# KiCad board Stream.kicad_pcb (continued)
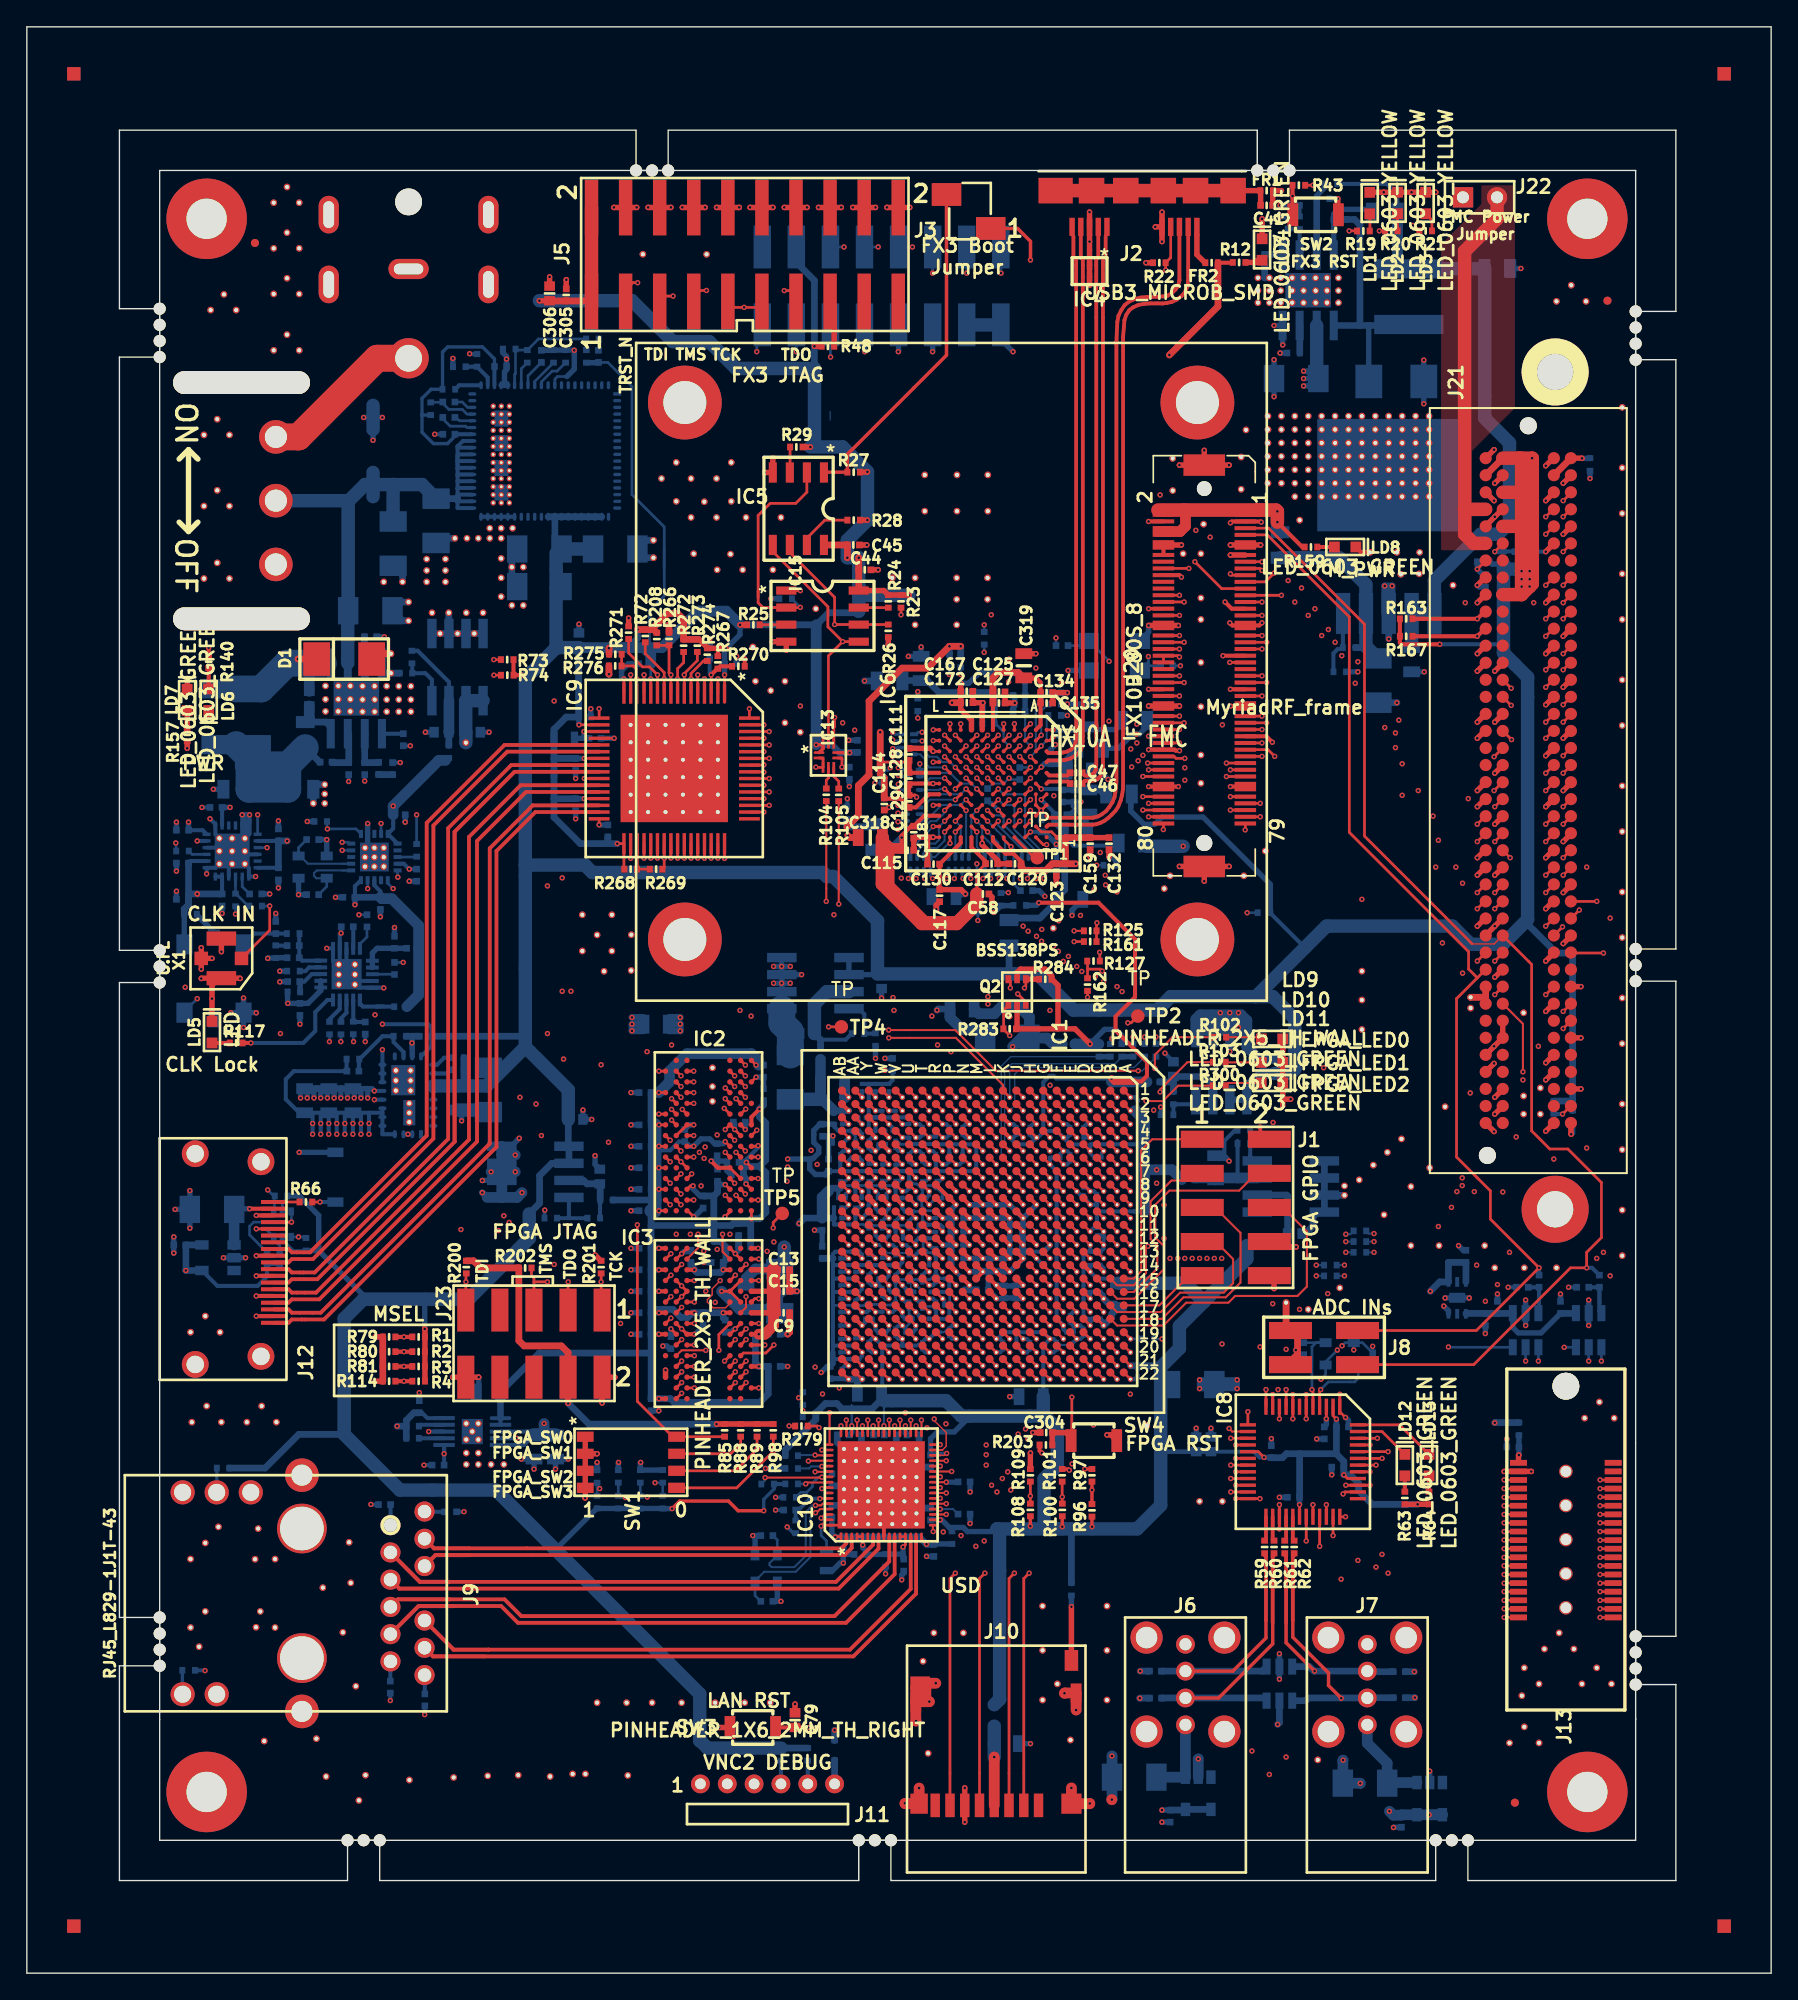
[diagram p0: board, top side]
## Routing (per net, layer and track width the routed paths; a pad name or vN(x,y) marks a point on that pad's centre or on a via; arc(x,y) is an arc through that point) (continued)
N-00000271: length 2.4
  Top w0.2: v1(68.4,88.22) IC6.K7
  Bottom w0.15: v1(68.4,88.22) 68.07,88.22 68,88.15 R207.4
N-00000272: length 2.6
  Top w0.2: IC6.J10 v1(69.2,85.03)
  Bottom w0.15: R204.1 68.7,83.4 69.2,83.9 v1(69.2,85.03)
N-00000273: length 2.5
  Top w0.2: IC6.K11 v1(68.8,84.18)
  Bottom w0.15: 67.35,83.32 67.35,83.15 ; R205.4 67.68,83.15 68.7,84.18 v1(68.8,84.18)
N-00000274: length 3.4
  Top w0.2: v1(67.55,85.43) IC6.L10
  Bottom w0.15: v1(67.55,85.43) 65.85,83.73 R205.1
N-00000275: length 3.5
  Top w0.2: v1(68.4,85.03) IC6.K10
  Bottom w0.15: R205.3 66.85,83.55 67.12,83.82 67.85,83.82 68.4,84.38 v1(68.4,85.03)
N-00000276: length 2.7
  Top w0.2: IC6.H10 v1(70.8,85.03)
  Bottom w0.15: R54.1 71.4,83.3 70.8,83.9 v1(70.8,85.03)
N-00000277: length 3.3
  Top w0.2: v1(71.6,85.03) IC6.G10
  Bottom w0.15: 71.99,84.64 v1(71.6,85.03) 72.4,84.23 R54.3
N-00000278: length 4
  Top w0.2: v1(72.4,85.82) IC6.F10
  Bottom w0.15: R53.1 74.15,83.15 74.15,83.75 72.4,85.5 v1(72.4,85.82)
N-00000279: length 4.6
  Top w0.2: v1(68.4,85.82) IC6.K9
  Bottom w0.15: 66.35,83.15 66.35,83.15 ; R205.2 66.35,83.6 66.9,84.15 67.7,84.15 67.97,84.43 67.97,85.4 68,85.43 v1(68.4,85.82)
N-00000280: length 3.6
  Top w0.2: IC6.J9 v1(69.2,85.82)
  Bottom w0.15: R204.2 69.2,83.48 69.6,83.88 69.6,85.43 v1(69.2,85.82)
N-00000281: length 3.7
  Top w0.2: v1(70.8,85.82) IC6.H9
  Bottom w0.15: v1(70.8,85.82) 71.2,85.43 71.2,84.78 71.9,84.07 R54.2
N-00000282: length 3.8
  Top w0.2: v1(71.6,85.82) IC6.G9
  Bottom w0.15: R54.4 72.9,84.53 v1(71.6,85.82)
N-00000283: length 5.7
  Top w0.2: v1(71.6,86.62) IC6.F9
  Bottom w0.15: R53.2 74.65,83.15 74.65,83.72 72.8,85.57 72.8,86.03 72.57,86.25 71.97,86.25 v1(71.6,86.62)
N-00000284: length 3.1
  Top w0.2: IC6.K8 v1(68.4,86.62)
  Bottom w0.15: R206.4 66.88,85.35 67.35,85.82 67.78,85.82 68.4,86.45 v1(68.4,86.62)
N-00000285: length 4.2
  Top w0.2: IC6.J8 v1(70,86.62)
  Bottom w0.15: R204.3 69.7,83.37 70,83.68 v1(70,86.62)
N-00000286: length 4.7
  Top w0.2: IC6.H8 v1(70,87.43)
  Bottom w0.15: R206.3 67,85.85 68.18,87.03 69.6,87.03 v1(70,87.43)
N-00000287: length 4.3
  Top w0.2: IC6.G8 v1(70.8,86.62)
  Bottom w0.15: R204.4 70.2,83.4 70.4,83.6 70.4,86.22 v1(70.8,86.62)
N-00000288: length 6.4
  Top w0.2: v1(72.4,87.43) IC6.F8
  Bottom w0.15: R53.3 75.15,83.15 75.15,83.65 73.6,85.2 73.6,86.88 73.45,87.03 72.8,87.03 v1(72.4,87.43)
N-00000289: length 6.9
  Top w0.2: IC6.B4 v1(74.8,90.62)
  Bottom w0.15: 75.2,93.18 75.2,91.03 v1(74.8,90.62) ; 75.2,93.18 75.2,94.2 ; 75.2,93.18 75.2,94.47 R33.2
N-00000290: length 3.1
  Top w0.2: IC6.B2 v1(75.6,92.22)
  Bottom w0.15: R32.2 75.6,94.02 v1(75.6,92.22)
N-00000302: length 11
  Top w0.2: v1(72.4,89.03) IC6.E6
  Inner3.Cu w0.1: v1(71.35,98.4) 71.88,97.88 71.88,94.85 72,94.72 72,89.43 v1(72.4,89.03)
  Bottom w0.2: R34.2 v1(71.35,98.4)
N-00000303: length 18.5
  Top w0.2: IC6.C6 v1(74.8,89.03)
  Inner7.Cu w0.15: v1(80.66,97.73) 82.53,95.86 82.53,94.32 77.43,89.22 75,89.22 v1(74.8,89.03)
  Bottom w0.2: v1(80.66,97.73) 80.66,97.74 XO1.1 78.8,98.9 C43.2
N-00000304: length 1.9
  Top w0.28: C46.2 77.6,88.78 76.15,88.78 IC6.A6
N-00000307: length 4.9
  Top w0.2: IC6.L4 v1(67.55,90.22)
  Inner4.Cu w0.15: v1(66.4,93.5) 66.22,93.32 66.22,91.55 v1(67.55,90.22)
  Bottom w0.2: v1(66.4,93.5) R46.1
N-00000308: length 1.5
  Top w0.2: LD3.1 104.72,130.61 R21.2
N-00000310: length 1.3
  Top w0.2: 102.15,129.82 102.15,131.07
N-00000312: length 1.3
  Top w0.2: 100.1,129.82 100.1,131.07
N-00000319: length 2.2
  Top w0.2: IC15.7 62,101.73 R24.2
N-00000320: length 2
  Top w0.2: IC15.3 56.59,100.45 R25.2
N-00000321: length 3.1
  Top w0.2: v1(75.6,91.43) IC6.B3
  Bottom w0.15: v1(75.6,91.43) 76.01,91.83 76.01,93.7
  Bottom w0.2: 75.95,93.64 76.01,93.7
N-00000322: length 8.9
  Top w0.2: IC6.C8 v1(74.8,87.43)
  Inner1.Cu w0.1: 75.2,86.23 75.2,87.03 v1(74.8,87.43) ; 75.2,86.23 75.2,86.22 ; 75.2,86.23 75.2,86.01 76.65,84.56 77.71,84.56 78.75,83.52 78.75,83 79.21,82.54 v1(79.73,82.54)
  Bottom w0.15: v1(79.73,82.54) R30.1
N-00000323: length 2.3
  Top w0.2: TP1.1 75.1,83.1 73.6,84.6 IC6.D11
N-00000325: length 1.3
  Top w0.4: R12.1 91.58,127.45 91.74,127.61 LD4.1
N-00000326: length 2.4
  Top w0.4: 87.83,127.4 87.2,128.03 87.2,129.5
N-00000327: length 16.4
  Top w0.4: C41.1 91.95,132.78 FR1.1 J2.11
  Top w1: J2.11 J2.11 J2.11 J2.11 J2.11 J2.11
N-00000332: length 7.7
  Top w0.2: v1(67.55,87) 67.57,87.03 IC6.L8
  Inner5.Cu w0.1: v1(67.55,87) 65.55,87 65.05,87.5 v1(61.15,87.5)
  Bottom w0.3: R47.1 61.15,86.95 v1(61.15,87.5)
N-00000333: length 8
  Top w0.2: v1(70,90.62) IC6.H4
  Inner3.Cu w0.1: v1(68.75,96.75) 68.4,96.4 68.4,94.1 69.2,93.3 69.2,92.85 69.6,92.45 69.6,91.03 v1(70,90.62)
  Bottom w0.2: R45.1 v1(68.75,96.75)
N-00000334: length 7.7
  Top w0.2: IC6.G4 v1(70.8,90.62)
  Inner3.Cu w0.1: v1(69.6,96.75) 70.4,95.95 70.4,91.03 v1(70.8,90.62)
  Bottom w0.2: v1(69.6,96.75) R44.1
N-00000337: length 18.3
  Top w0.2: IC6.C7 v1(74.8,88.22)
  Inner7.Cu w0.15: v1(83.59,98.09) 82.85,97.35 82.85,94.12 77.5,88.78 75.35,88.78 v1(74.8,88.22)
  Bottom w0.2: v1(83.59,98.09) 83.59,97.69 XO1.3 83.3,97.4 C42.2
N-00000338: length 25.5
  Top w0.2: 59.42,111.82 IC5.1
  Top w0.25: R27.2 61.16,113.16 68.54,120.54 J3.2 ; 61.15,111.82 59.42,111.82
N-00000339: length 61.2
  Top w0.2: 94.33,131.02 SW2.2 ; IC6.C5 v1(74.8,89.82)
  Top w0.3: SW2.2 94.33,131.02 v1(94.33,132.4) R43.1
  Inner6.Cu w0.1: v1(82.82,90.32) 82.72,90.22 75.2,90.22 v1(74.8,89.82)
  Inner4.Cu w0.15: 88.35,128.5 81.75,121.9 81.75,90.96 82.39,90.32 v1(82.82,90.32) ; 88.35,128.5 92.05,132.2 93.9,132.2 94.1,132.4 v1(94.33,132.4) ; 88.35,128.5 88.45,128.6
  Bottom w0.2: v1(94.33,132.4) 94.32,132.39 94.32,132.4 ; v1(74.8,89.82) C48.1
N-00000341: length 1.8
  Top w0.2: 93.85,32.32 R61.2
  Top w0.28: IC8.28 93.85,32.32
N-00000344: length 1.8
  Top w0.2: 92.35,32.32 R59.2
  Top w0.28: IC8.25 92.35,32.32
N-00000345: length 1.2
  Top w0.3: R63.2 LD12.1
N-00000346: length 1.8
  Top w0.2: 92.85,32.32 R60.2
  Top w0.28: IC8.26 92.85,32.32
N-00000352: length 7.3
  Top w0.2: v1(95.77,43.47) 95.85,43.4 IC8.5
  Bottom w0.2: v1(95.77,43.47) 95.77,46.66 96.08,46.97 XO2.3 C61.2
N-00000354: length 1.2
  Top w0.3: R64.2 LD13.1
N-00000359: length 1.8
  Top w0.2: 94.35,32.32 R62.2
  Top w0.28: IC8.29 94.35,32.32
N-00000361: length 7
  Top w0.2: v1(96.43,43.47) 96.35,43.4 IC8.4
  Bottom w0.2: v1(96.43,43.47) 97,44.05 98.97,44.05 98.97,44.06 99.23,44.32 99.23,44.97 XO2.1 C60.2
N-00000363: length 1.6
  Top w0.2: IC8.3 v1(96.85,41.3)
  Bottom w0.2: 96.85,40.85 C63.1
  Bottom w0.4: v1(96.85,41.3) 96.85,40.85
N-00000364: length 5.9
  Top w0.8: J10.4 v1(72.1,16.1)
  Bottom w1: v1(72.1,16.1) C65.1 L1.1
N-00000365: length 1.8
  Bottom w0.5: D6.2 J11.6
N-00000366: length 6.1
  Bottom w0.8: J6.1 U4.1 C50.1
N-00000370: length 7.2
  Bottom w0.8: J7.1 99.9,17.13 101.38,15.65 C52.1 101.43,14.2 U5.1
N-00000372: length 1.9
  Top w0.2: J12.19 R66.2
N-00000374: length 3.3
  Top w0.2: IC9.8 v1(48.5,96.42) 48.5,97.19 48.95,97.64 R272.1
N-00000375: length 3.6
  Top w0.2: 49.06,96.78 v1(49,96.72) ; v1(49,96.72) 49,96.82 49.97,97.79 R273.1 ; v1(49,96.72) IC9.7
N-00000376: length 3.1
  Top w0.2: R274.1 50.43,97.76 49.5,96.83 v1(49.5,96.42) IC9.6
N-00000384: length 5.6
  Top w0.3: J12.18 v1(16.6,56.95)
  Bottom w0.4: C197.1 15.5,56.95 v1(16.6,56.95)
  Bottom w0.8: C197.1 15.45,56.9 U6.1
N-00000386: length 2.7
  Top w0.2: v1(41.53,92.5) IC9.19
  Bottom w0.4: 41.53,92 R65.2 ; 41.53,92 v1(41.53,92.5) ; 41.53,92 C77.1
N-00000387: length 2.1
  Top w0.4: v1(111.2,38.6) 111.17,38.57 J13.1
  Bottom w0.4: v1(111.2,38.6) C57.1 R58.2
N-00000388: length 3.9
  Top w0.2: IC9.14 45.45,96.42 v1(45.45,96.42) 45.45,97.12 45.18,97.39 R276.1 44.33,97.4 R275.1
N-00000390: length 4.6
  Top w0.2: IC9.9 v1(48,96.72) 47.86,96.86 R266.1 47.85,98.92 R208.1
N-00000391: length 2.9
  Top w0.2: IC9.35 45.5,82.28 R268.1 R269.1
N-00000392: length 4.5
  Top w0.2: v1(51,96.72) IC9.3
  Top w0.3: v1(51,96.72) 51.46,97.18 R267.1 51.68,97.36 R270.2
  Bottom w0.3: v1(51,96.72) 50.89,96.83 C73.1
N-00000393: length 3.4
  Bottom w0.3: U10.3 112.7,49.22 112.7,50.15 ; 112.7,50.15 112.7,50.75 ; 112.7,50.15 R143.1 C203.1
N-00000395: length 3.6
  Bottom w0.3: U9.3 117.2,49.32 117.2,49.95 ; 117.2,49.95 117.2,50.75 ; 117.2,49.95 R67.1 C171.1
N-00000406: length 11
  Top w0.15: 59.82,34.97 59.32,34.97 59.2,34.85 v1(58.78,34.85)
  Bottom w0.15: v1(58.78,34.85) 58.55,34.85 58.05,34.35 58.05,31.1 57.2,30.25 55.5,30.25 55.35,30.4 55.35,30.55 55.93,31.13 XO3.1
  Bottom w0.2: C80.2 55.93,32.27 XO3.1 ; v1(58.78,34.85) 58.76,34.84
N-00000407: length 1.5
  Bottom w0.3: J9.6 27.11,33.38 C83.2
N-00000408: length 3.7
  Top w0.15: v1(59.1,35.35) 59.12,35.38 59.82,35.38
  Bottom w0.3: v1(59.1,35.35) 58.35,35.35 57.5,34.5 C92.1 FR12.2
N-00000409: length 1.5
  Bottom w0.3: J9.12 29.66,34.37 C82.2
N-00000410: length 1.5
  Bottom w0.3: 27.1,23.22 27.09,23.22 C84.2
N-00000411: length 1.4
  Bottom w0.3: J9.7 29.66,22.19 C85.2
N-00000412: length 13.3
  Top w0.15: 59.28,33.97 v1(59.2,33.9) 59.47,34.18 59.82,34.18
  Top w0.2: v1(60.25,32.5) 60.28,32.53 IC10.1 ; v1(67.05,31.95) 66.68,32.32 IC10.16
  Bottom w0.4: C314.1 67.63,31.98 FR8.2 ; C315.1 v1(60.25,32.5) 60,32.75 C313.1 59.95,33.9 v1(59.2,33.9)
  Bottom w0.5: C314.1 v1(67.05,31.95) 66.5,32.5 C315.1
N-00000413: length 11.2
  Top w0.15: 59.82,34.57 59.12,34.57 58.85,34.3 v1(58.78,34.3)
  Bottom w0.15: v1(58.78,34.3) 58.4,33.93 58.4,31 57.3,29.9 54.95,29.9 54.27,29.22 XO3.3
  Bottom w0.2: C81.2 54.27,28.13 XO3.3
N-00000416: length 1.8
  Bottom w0.25: J9.16 14.16,35.83 R83.1
N-00000417: length 1.8
  Bottom w0.25: J9.14 11.59,20.8 R128.2
N-00000419: length 6.8
  Top w0.2: v1(65.3,31.75) 65.47,31.93 IC10.13 IC10.12 ; v1(62.3,31.9) 62.28,31.93 IC10.5 IC10.4
  Bottom w0.4: C179.1 65.3,30.9 65.3,31.2 ; 65.3,31.2 65.3,31.22 FR10.1 63.98,31.2 C180.1 62.55,31.45 62.3,31.7 v1(62.3,31.9) ; 65.3,31.2 v1(65.3,31.75)
N-00000420: length 2.8
  Top w0.15: v1(59.2,33.3) 59.2,33.35 59.62,33.78 59.82,33.78
  Bottom w0.2: R82.2 59.6,32.2 59.2,32.6 v1(59.2,33.3)
N-00000430: length 3.6
  Bottom w0.3: XO5.1 16.96,77.45 C94.1 R111.2
N-00000431: length 8.9
  Top w0.3: v1(16.7,69.3) R117.2
  Bottom w0.3: v1(16.7,69.3) 20.6,69.3 21.5,70.2 21.5,71.6 22.4,72.5 U2.15
N-00000432: length 2.5
  Bottom w0.3: U2.12 24.33,72.49 R122.2 24.36,70.86 C308.1
N-00000433: length 1.3
  Top w0.3: LD5.1 R117.1
N-00000434: length 3.5
  Bottom w0.3: 26.05,72.01 25.05,72.01 24.82,72.24 U2.11 ; 26.05,72.01 26.62,72.01 ; 26.05,72.01 27.37,72.01 R120.2
N-00000435: length 1.8
  Bottom w0.3: R123.2 23.41,71.13 23.82,71.54 U2.13
N-00000436: length 2.6
  Bottom w0.3: U2.18 21.24,74.43 20.68,73.87 C97.1
  Bottom w0.4: C97.1 20.37,73.84 R116.2
N-00000437: length 3.5
  Bottom w0.3: R111.1 20.3,77.43 C95.1 C96.1 20.52,75.43 U2.20
N-00000438: length 10.2
  Inner5.Cu w0.2: v1(17.9,83.85) 22.9,78.85 v1(24.75,78.85)
  Bottom w0.2: IC12.15 v1(17.9,83.85) ; v1(24.75,78.85) C309.2
N-00000439: length 1.7
  Bottom w0.2: C311.1 27.38,74.42 U2.8
N-00000440: length 1.9
  Bottom w0.3: R124.2 22.56,71.07 23.32,71.83 U2.14
N-00000442: length 1.8
  Bottom w0.2: C309.1 25.35,77.2 24.82,76.67 U2.5
N-00000443: length 1.7
  Bottom w0.3: U2.19 21.04,74.93 20.76,74.65 R121.2
N-00000444: length 1.6
  Bottom w0.3: U2.4 24.33,76.36 C310.1
N-00000446: length 1.5
  Bottom w0.2: C99.1 16.05,80.95 IC12.20
N-00000447: length 0.9
  Bottom w0.3: R112.1 18.57,76.55 C95.2
N-00000449: length 4.3
  Bottom w0.3: U2.7 U2.6
  Bottom w0.4: U2.7 25.75,76 26.1,76.35 C307.1 FB1.1
N-00000450: length 1.4
  Bottom w0.2: IC11.13 29.03,83.15
N-00000451: length 57.7
  Top w0.15: R125.2 v1(78.05,77.65)
  Inner5.Cu w0.15: 76.4,77 76.3,76.9 ; 76.3,76.9 77.05,77.65 v1(78.05,77.65) ; 76.3,76.9 75.72,76.32 56.72,76.32 52.65,80.4 31.65,80.4 v1(26.4,85.65)
  Bottom w0.2: v1(26.4,85.65) IC11.9
N-00000452: length 60.4
  Top w0.2: v1(79.95,76.05) 79.97,76.03 R127.2
  Inner5.Cu w0.15: v1(25.4,80.8) 27.15,79.05 36.9,79.05 43,72.95 58,72.95 59.85,74.8 77.35,74.8 78.6,76.05 v1(79.95,76.05)
  Bottom w0.2: v1(25.4,80.8) IC11.19
N-00000453: length 3.3
  Bottom w0.2: 15.55,81.05 IC12.21 R150.1 15.58,80.42 16.5,79.5 R151.2
N-00000456: length 6
  Bottom w0.15: XO4.1 21.58,81.57 21.4,81.75 21.4,81.95 21.6,82.15 23.5,82.15 ; 23.5,82.15 23.93,82.15 ; 23.5,82.15 IC11.1
  Bottom w0.2: C219.2 22.35,80.95 XO4.1
N-00000457: length 6.1
  Bottom w0.15: XO4.3 20.37,83.23 20.95,82.65 23.5,82.65 ; 23.5,82.65 23.93,82.65 ; 23.5,82.65 IC11.2
  Bottom w0.2: C316.2 20.25,83.85 XO4.3
N-00000458: length 9.5
  Inner4.Cu w0.15: v1(12.7,72.6) 15.55,75.45 v1(15.55,78.9)
  Bottom w0.2: v1(12.7,72.6) 11.75,71.65 XO5.4 ; R150.2 v1(15.55,78.9)
N-00000461: length 2.3
  Bottom w0.4: XO5.6 13.95,77.55 12.67,78.83 R118.1
N-00000462: length 17.7
  Top w0.2: X1.1 18.1,77.7 v1(18.1,79.5)
  Inner5.Cu w0.2: v1(28.05,75.3) 25.2,78.15 22.2,78.15 20.85,79.5 v1(18.1,79.5)
  Bottom w0.2: v1(18.1,79.5) R151.1 ; C311.2 v1(28.05,75.3)
N-00000463: length 1.4
  Bottom w0.2: R278.1 12.32,83.35 IC12.3
N-00000464: length 17.1
  Inner5.Cu w0.2: 12.15,85.25 v1(11.1,84.2) 12.15,85.25 ; 12.15,85.25 v1(22.4,85.25)
  Bottom w0.2: v1(11.1,84.2) 11.13,84.17 R278.2 ; IC11.6 24.53,85.25 v1(22.4,85.25) 22.37,85.28 R277.1
N-00000469: length 5.6
  Top w0.2: IC6.B6 v1(75.6,88.22)
  Bottom w0.3: C138.1 77.12,88.22 v1(75.6,88.22)
  Bottom w0.4: C138.1 C136.1
  Bottom w0.5: FR16.1 80.25,87.85 79.95,88.15 C212.1 C136.1
N-00000472: length 5
  Top w0.2: v1(75.6,89.85) 75.2,89.45 IC6.B5
  Bottom w0.4: v1(75.6,89.85) 75.85,90.1 C122.1
  Bottom w0.5: 77.7,90.6 78.29,91.19 FR15.1 ; 77.7,90.6 77.7,89.73 C124.1 ; 77.7,90.6 77.2,90.1 C122.1
N-00000473: length 6.5
  Top w0.2: v1(76.47,92.1) 76.2,91.82 IC6.A2
  Bottom w0.2: C119.1 77.35,92.1 v1(76.47,92.1)
  Bottom w0.4: C119.1 79.07,92.68 C121.1 79.45,92.65 81.15,92.65 81.59,93.09 FR14.1
N-00000474: length 9.2
  Top w0.2: v1(75.6,87.43) IC6.A7
  Bottom w0.3: v1(75.6,87.43) 76.6,86.42 C113.1 ; 77.81,84.19 77.25,84.75 ; 77.25,84.75 78,84 81.18,84 FR13.1 ; 77.25,84.75 C116.1
  Bottom w0.5: C116.1 76.6,85.77 C113.1
N-00000476: length 8.5
  Bottom w0.3: R70.2 29.13,98.52 31.46,96.19 IC18.3
  Bottom w0.5: C178.1 31.45,92.45 R113.1
  Bottom w0.8: C178.1 31.46,92.46 IC18.3
N-00000477: length 4
  Bottom w0.3: R70.1 28.72,97.56 R5.1 29.7,96.85 30.19,96.36 IC18.4
N-00000478: length 4.8
  Bottom w0.3: IC24.5 98.08,101.28 R158.1 97.98,98.65 97.7,98.65 97.38,98.33 R156.1
N-00000479: length 1.9
  Bottom w0.3: IC16.7 R141.2
N-00000480: length 1.9
  Bottom w0.3: R142.2 29.32,40.85 IC16.9
N-00000481: length 1.6
  Bottom w0.3: C141.1 U3.5
N-00000482: length 3.2
  Bottom w0.5: U3.6 25.18,92.33 C143.1 26.2,90.19 R131.1
N-00000483: length 1
  Bottom w0.5: R131.2 26.24,89.29 C142.1
N-00000484: length 2
  Bottom w0.5: U3.3 25.16,97.62 R130.1
N-00000485: length 1.3
  Top w0.3: R159.1 LD8.1
N-00000486: length 1.3
  Top w0.4: LD7.1 R157.2
N-00000487: length 14.7
  Bottom w0.5: D2.1 21.83,90.22 R132.1
  Bottom w2: 19.53,90.08 D2.1 ; 16.5,90 16.52,90.02 19.45,90.02 R145.2 C145.1 16.55,90.57 L3.1
N-00000488: length 12.3
  Top w2: SW5.1 20.25,114.45 26.11,120.31 J18.1
N-00000490: length 14.2
  Top w0.5: D1.2 v1(20.2,97.9)
  Bottom w0.5: 16.21,96.29 L3.2 ; 21.05,97.59 U3.1 ; v1(20.2,97.9) 19.89,97.59 19.39,97.59
  Bottom w0.8: C144.2 21.05,97.59
  Bottom w2: L3.2 17.48,95.68 19.39,97.59 22.1,97.59
N-00000491: length 3.9
  Bottom w0.5: 21.05,93.5 D2.2 22.3,93.2 22.65,92.85 U3.8
  Bottom w0.8: C144.1 21.05,93.5
N-00000492: length 3.4
  Bottom w0.5: R132.2 22.78,90.19 R144.1 23.99,92.27 U3.7
N-00000493: length 2.1
  Bottom w0.5: U7.3 94.87,122.74 R49.1
N-00000494: length 1.4
  Bottom w0.5: U7.5 93.54,128.05 C156.1
N-00000495: length 13.9
  Bottom w0.5: 99.8,98.85 99.7,98.75 R158.2
  Bottom w1: C181.1 99.8,98.85 IC24.4 99.8,103.45 97.8,105.45 R160.2
N-00000496: length 0.8
  Bottom w0.3: R50.2 C157.1
N-00000497: length 2.8
  Bottom w0.3: U7.6 94.85,128.01 R50.1 94.83,129.95 C160.1
N-00000498: length 18.5
  Bottom w0.4: 100,122.75 100.01,122.74 D10.2
  Bottom w0.5: 99.35,122.75 99.35,130.25 98.95,130.65 C161.2 ; 99.35,122.75 102.93,122.75 L2.2 ; 99.35,122.75 U7.1
N-00000500: length 6.1
  Bottom w0.4: D12.2 100.05,131.4 97.75,131.4 97.4,131.05 C161.1 U7.8
N-00000501: length 5.5
  Bottom w0.4: R51.2 96.73,133.03 96.13,132.43 R52.1
  Bottom w0.5: R52.1 U7.7
N-00000503: length 6
  Bottom w0.3: IC23.14 28.07,68.62 27.33,69.37 R181.1 26.5,69.8 24.8,68.1 R180.2 24.75,68.08 C184.2
N-00000504: length 8.8
  Bottom w0.3: R135.2 61.03,69.55 59.15,69.55
  Bottom w0.5: C148.1 59.15,69.55 R137.1
  Bottom w1: C148.1 58.7,72.2 59.62,73.12 IC19.3
N-00000505: length 1.5
  Bottom w0.3: R179.2 31.1,68.2 30.57,67.68 IC23.17
N-00000506: length 6.5
  Bottom w0.5: IC20.3 88.38,66.16 87.75,66.8 C149.1 85.45,66.4 ; 85.45,66.4 R136.2 ; 85.45,66.4 R139.1
N-00000507: length 2.6
  Bottom w0.3: R134.1 85.45,63.96 R136.1 86.77,64.73 IC20.4 87.12,65.07
N-00000508: length 2.1
  Bottom w0.3: R168.2 32.22,118.3 IC22.57
N-00000509: length 1.4
  Bottom w0.2: IC22.52 32.25,115.65 32,115.9 C193.1
N-00000510: length 0.9
  Bottom w0.2: C183.2 42.62,120.92 R176.1
N-00000511: length 1.5
  Bottom w0.2: IC22.54 32.85,116.65 32.45,117.05 C192.1
N-00000512: length 2.6
  Bottom w0.3: 32.67,119.7 32.69,119.68 R165.2 34.35,118.88 IC22.58
N-00000513: length 1.4
  Bottom w0.3: R166.1 31.36,67.03 IC23.18
N-00000514: length 2.6
  Bottom w0.2: C193.2 31,115.8 31.55,115.25 32.7,115.25 32.8,115.15 IC22.51
N-00000515: length 3.5
  Bottom w0.2: IC22.53 32.8,116.15 32.45,116.5 31.45,116.5 31,116.95 C192.2 30.98,117.03 30.1,117.03
N-00000516: length 3.6
  Bottom w0.3: R133.1 63.23,70 R135.1 62.42,71.43 62,71.85 IC19.4
N-00000517: length 3.8
  Bottom w0.3: 40.4,56.25 R153.1 ; 40.4,56.25 IC21.4 ; 40.4,56.25 R154.1
N-00000518: length 1.6
  Top w0.3: LD6.1 R140.2
N-00000519: length 5
  Bottom w0.3: R155.1 42.72,57.59 R154.2
  Bottom w0.5: IC21.3 41.49,59.06 41.75,58.8 C177.1 42.73,58.77 R155.1
N-00000520: length 2.6
  Bottom w0.3: IC14.4 91.53,60.51 91.17,60.87 R280.2 R99.1
N-00000521: length 7.5
  Bottom w0.3: 90.23,62 90.23,59.24
  Bottom w0.5: R281.1 C301.1
  Bottom w0.8: C301.1 88.74,59.24 IC14.3
N-00000562: length 1.9
  Bottom w0.2: R282.2 36.85,119.53 IC22.63
N-00000563: length 18.6
  Bottom w0.25: 29.45,116.1 29.45,114.8 30.3,113.95 31.35,113.95 31.9,114.5 C194.1 ; 29.45,116.1 29.45,116.08 R169.2 ; 29.45,116.1 29.45,117.32 30.13,118 R168.1 30.98,120.77 31.37,121.16 33.95,121.16 34.85,120.26 C191.1
  Bottom w0.3: IC22.59 C191.1 ; IC22.50 C194.1
N-00000564: length 2.1
  Bottom w0.2: C190.1 37.35,119 IC22.64
N-00000565: length 2.3
  Bottom w0.2: R171.2 37.85,118.58 IC22.65
N-00000566: length 2.6
  Bottom w0.2: R170.1 39.52,119.35 39.15,119.35 38.35,118.55 IC22.66
PRSNT_M2C_L: length 65.3
  Top w0.2: v1(114.45,64) 115.06,64.6 J21.H2 ; IC1.K22 IC1.K22
  Inner6.Cu w0.15: v1(93.25,43.47) 92.8,43.93 91.73,43.93 90.88,43.08 83.06,43.08 82.49,43.65 73.82,43.65 73.25,44.22 IC1.K22
  Inner5.Cu w0.2: v1(114.45,64) 113.82,63.38 v1(92.88,63.38)
  Inner4.Cu w0.15: v1(93.25,43.47) 93.38,43.6 93.38,51.53 92.88,52.03 v1(92.88,63.38)
  Bottom w0.3: R78.1 113.83,64 v1(114.45,64)
RSSI_ADC0: length 91.8
  Top w0.1: 107.7,76.7 107.73,76.68 109.35,76.68 109.98,77.31 J21.D12
  Top w0.2: 107.7,76.7 99.69,84.71 99.69,100.5 92.54,107.65 92.5,107.65 ; 92.5,107.65 J20.7 ; 92.5,107.65 92.5,107.65 ; J8.4 107.83,45.34 115.05,52.55 v1(116.25,52.55) 116.25,53.7 117.35,54.8 117.35,58.9 114.85,61.4 113.5,61.4 112.15,62.75 112.15,75.15 J21.D12
  Bottom w0.3: R67.2 116.65,52.55 v1(116.25,52.55)
RSSI_ADC1: length 83.2
  Top w0.2: 108.1,74.15 108.71,74.76 J21.C10 ; 108.1,74.15 107.45,74.8 107.45,76.1 98.56,84.99 98.56,101.04 92.45,107.15 J20.9 ; 108.1,74.15 106.55,72.6 106.55,60.8 107.9,59.45 ; 107.9,59.45 109.07,58.28 109.07,56.18 v1(112.7,52.55) 108.02,47.88 J8.2 ; 107.9,59.45 108.2,59.15
  Bottom w0.3: R143.2 v1(112.7,52.55)
SPI_EN_BRD: length 112.8
  Top w0.2: 87.05,105.15 v1(87.05,105.15) 89.05,103.15 J20.21 ; IC1.F14 IC1.F14
  Inner6.Cu w0.1: v1(112.65,69.05) 112.05,69.05 99.05,56.05 99.05,53.68 98.62,53.25 97.23,53.25 96.32,52.35 95.52,52.35 94.93,51.75 83.82,51.75 83.7,51.88 77.62,51.88 IC1.F14
  Inner5.Cu w0.15: 101.55,102.8 102.45,102.8 ; 102.45,102.8 111.6,102.8 v1(112.3,102.1) ; 102.45,102.8 100.65,102.8 97.5,105.95 93.55,105.95 92.35,107.15 89.3,107.15 88.7,106.55 88.7,105.65 88.2,105.15 v1(87.05,105.15)
  Inner4.Cu w0.15: 112.65,74.7 112.65,75.25 ; 112.65,75.25 112.65,101.75 v1(112.3,102.1) ; 112.65,75.25 112.65,74.18 ; 112.65,74.15 112.65,74.18 ; 112.65,74.18 v1(112.65,69.05)
TXNRX1: length 94.4
  Top w0.2: v1(113.2,80.5) 113.81,81.1 113.81,81.12 ; v1(92.05,104.5) 91.9,104.65 J20.15 ; IC1.D6 IC1.D6
  Inner6.Cu w0.15: 112.75,80.05 v1(113.2,80.5) 111.1,78.4 111.1,73 99.75,61.65 99.4,61.65 92.5,54.75 v1(84.75,54.75)
  Inner5.Cu w0.15: v1(113.2,80.5) 112.52,81.18 112.52,85.45 111.77,86.2 107.95,86.2 102.75,91.4 102.75,98.95 96.95,104.75 92.6,104.75 92.35,104.5 v1(92.05,104.5)
  Inner1.Cu w0.1: IC1.D6 79.6,60.25 80.03,59.82 80.6,59.82 80.88,59.55 80.88,55.07 81.07,54.88 84.3,54.88 84.43,54.75 v1(84.75,54.75)
TXNRX2: length 93.1
  Top w0.2: v1(113.2,88.1) 113.81,88.71 113.81,88.74 ; v1(92.05,105.15) J20.13 ; IC1.B5 IC1.B5
  Inner6.Cu w0.15: 107.93,87.5 112.6,87.5 v1(113.2,88.1) ; 107.93,87.5 104.1,87.5 103.5,86.9 103.5,69.8 102.8,69.1 ; 107.93,87.5 v1(107.43,87.5) ; 102.8,69.1 99,65.3 ; 102.8,69.1 90.93,57.22 v1(84.75,57.22)
  Inner5.Cu w0.15: v1(107.43,87.5) 103.1,91.82 103.1,99.15 97.1,105.15 v1(92.05,105.15)
  Inner1.Cu w0.1: v1(84.75,57.22) 83.35,58.62 83.35,60.35 82.95,60.75 81.75,60.75 IC1.B5
UART_RXD: length 29.2
  Top w0.2: IC1.B13 IC1.B13 ; v1(100.65,39.85) IC8.46
  Inner1.Cu w0.15: v1(100.65,39.85) 100.65,42.8 95.4,48.05 88.8,48.05 83.1,53.75 81.75,53.75 IC1.B13
UART_TXD: length 28.2
  Top w0.2: IC1.B14 IC1.B14 ; v1(100.1,39.35) IC8.45
  Inner1.Cu w0.15: v1(100.1,39.35) 100.1,42.7 95.15,47.65 88.55,47.65 83.45,52.75 82.05,52.75 81.55,52.25 IC1.B14
USB2_GPIO0: length 114
  Top w0.2: IC8.12 v1(92.35,43.47)
  Inner6.Cu w0.15: 54.41,113.85 54.41,111.41 58.84,106.98 v1(88.19,106.98) ; 54.41,113.85 54.41,114.14 ; 54.41,113.85 54.41,120.79 v1(54.4,120.8)
  Inner4.Cu w0.15: v1(88.19,106.98) 88.6,106.57 88.6,85.72 92.35,81.97 v1(92.35,43.47)
  Bottom w0.15: 54.4,122.39 J4.2
  Bottom w0.2: v1(54.4,120.8) 54.4,122.39
USB2_GPIO1: length 112.8
  Top w0.2: v1(91,41.82) IC8.13
  Inner6.Cu w0.15: 57.33,113.95 57.33,110.64 60.48,107.49 v1(87.12,107.49) ; 57.33,113.95 57.33,114.39 ; 57.33,113.95 57.33,120.78 v1(57.35,120.8)
  Inner4.Cu w0.15: v1(87.12,107.49) 88.06,106.55 88.12,106.55 88.12,85.7 91.98,81.85 91.98,75.07 91,74.1 v1(91,41.82)
  Bottom w0.2: J4.4 v1(57.35,120.8)
USB2_GPIO2: length 110.2
  Top w0.15: v1(89.6,40.58) 89.83,40.35 IC8.14
  Inner6.Cu w0.15: v1(59.9,120.4) 59.9,112.8 62.57,110.13 v1(84.46,110.13)
  Inner4.Cu w0.1: v1(84.46,110.13) 85.19,109.4 85.19,84.69 84.16,83.66 84.16,75.5 90.12,69.54 90.12,59.95 89.6,59.43 v1(89.6,40.58)
  Bottom w0.15: 59.85,122.11 59.87,122.13
  Bottom w0.2: v1(59.9,120.4) 59.89,120.41 J4.6
VDIO: length 109.9
  Top w0.2: IC1.A2 IC1.A2 ; IC1.D9 IC1.D9 ; IC1.D11 IC1.D11 ; IC1.D5 IC1.D5 ; IC1.E8 IC1.E8
  Inner7.Cu w0.5: 117.7,108.2 117.7,79.4 116.6,78.3 116.6,71.65 115.95,71 113.55,71 112.5,69.95 108.95,69.95 106.95,67.95 97.15,67.95 v1(96.65,67.45) ; 117.7,108.2 117.7,109.95 ; 117.7,108.2 117.7,110.15 v1(116.5,111.35)
  Inner2.Cu w0.8: v1(96.65,67.45) 93.15,67.45 85.55,59.85 v1(84.2,59.85)
  Bottom w0.25: C258.1 79.25,61.07 IC1.D5
  Bottom w0.3: C253.1 82.57,64.25 IC1.A2 ; 79.75,57.25 C263.1 ; 79.75,57.25 79.75,56.75 ; 79.75,57.25 IC1.D9 79.25,57.3 78.75,57.8 C275.1 78.53,57.97 IC1.E8 ; IC1.D11 79.53,55.53 C268.1 79.75,56.75 ; 82.5,56.75 79.75,56.75 ; 82.5,56.75 82.95,56.75 ; 82.5,56.75 83.3,56.75 ; 83.3,61.75 79.25,61.75 IC1.D5
  Bottom w0.4: 86.08,59.12 R281.2 ; v1(116.5,111.35) R199.2
  Bottom w0.8: 83.3,61.65 83.3,61.75 ; 83.3,61.65 83.3,59.85 ; 83.3,61.65 83.3,63.53 82.57,64.25 ; 86.08,59.12 85.35,59.85 v1(84.2,59.85) 83.3,59.85 ; 83.3,59.85 83.3,60.2 83.3,56.75
VREF_B3_B4: length 95.8
  Top w0.2: IC2.J2 v1(53.55,62.85) ; IC1.U11 IC1.U11 ; IC1.V16 IC1.V16 ; IC1.V12 IC1.V12 ; v1(48,48) IC3.J2 ; IC1.AB4 IC1.AB4
  Top w0.3: IC1.Y4 IC1.Y4 ; IC1.V9 IC1.V9 ; IC1.W14 IC1.W14 ; IC1.AA18 IC1.AA18
  Inner7.Cu w0.3: 63.25,61.75 64.55,61.75 64.75,61.55 IC1.V9 IC1.V9 ; 63.25,61.75 62.75,61.75 61.8,61.75 61.3,62.25 IC1.AB4 ; 63.25,61.75 IC1.Y4
  Inner7.Cu w0.5: 54.88,63.4 54.1,63.4 v1(53.55,62.85) ; 54.88,63.4 60.1,63.4 IC1.AB4 ; 54.88,63.4 53.32,63.4 52.93,63.8 49.38,63.8 48.2,62.62 44.07,62.62 v1(43.35,61.9) ; 44.3,48.35 v1(44.25,48.4)
  Inner7.Cu w0.8: 44.3,48.35 47.4,48.35 47.75,48 v1(48,48)
  Inner7.Cu w1: v1(44.25,48.4) 39.25,43.4 32.8,43.4 31.1,41.7 v1(31.1,38.7)
  Inner4.Cu w0.3: 65.75,55.25 65.75,56.75 IC1.V9 ; 65.75,55.25 65.75,54.25 ; 65.75,55.25 IC1.U11 ; IC1.V16 65.75,50.75 65.75,51.75 ; 65.75,51.75 64.75,51.75 IC1.W14 ; 65.75,51.75 65.75,54.25 ; 65.75,54.25 IC1.V12
  Inner3.Cu w1: v1(43.35,61.9) 43.95,61.3 43.95,48.7 v1(44.25,48.4)
  Inner1.Cu w0.3: IC1.V16 64.75,49.75 64.75,48.9 64.6,48.75 62.75,48.75 IC1.AA18
  Bottom w0.3: IC1.U11 66.47,55.47 C32.1 ; C33.1 65.25,56.97 IC1.V9 ; IC1.AB4 60.82,61.82 C35.1 ; C36.1 62.97,62.25 IC1.Y4 ; IC1.AA18 62.47,48.47 C185.1 ; C288.1 64.25,51.97 IC1.W14 ; C289.1 65.53,54.25 IC1.V12 ; IC1.V16 65.47,50.03 C174.1 ; C154.1 IC16.6 v1(31.1,38.7)
  Bottom w0.4: C31.1 v1(48,48) ; v1(53.55,62.85) C34.1
VTT_SDRAM: length 193.5
  Inner3.Cu w0.4: 57.55,60.65 v1(57.55,55.85)
  Inner3.Cu w0.5: 58.4,44.35 58.8,44.35 v1(59.2,44.75) ; v1(63.95,67.25) 63.35,66.65 ; 57.55,60.65 v1(56.7,60.65)
  Inner3.Cu w0.8: 56.56,43.05 56.38,43.05 56,42.67 51.32,42.67 49.6,40.95 v1(38.55,40.95)
  Inner3.Cu w1: 63.35,66.65 59.4,66.65 57.55,64.8 57.55,52.2 58.35,51.4 58.35,46.47 57.85,45.97 57.85,44.7 58.4,44.15 58.04,44.15 57.85,44.34 56.56,43.05
  Bottom w0.1: R255.1 65.88,51.35 65.88,51.07 66.15,50.8 R230.1
  Bottom w0.2: 65.75,61.68 65.68,61.75 65.12,61.75 64.85,62.03 R187.1 ; R183.1 61.47,62.62 61.75,62.35 R152.1 ; R225.1 66.75,58.12 66.47,57.85 R220.1 66.47,57.65 66.7,57.43 66.7,57.15 67.05,56.8 R259.1 ; R225.1 66.85,58.47 67.05,58.68 67.47,58.68 67.68,58.47 R228.1 68.22,58.07 R260.1 ; R225.1 66.65,58.47 66.32,58.8 66.1,58.8 65.88,59.03 R173.1 ; R8.1 60.78,58.47 60.97,58.68 61.45,58.68 61.65,58.47 R186.1 61.88,58.47 62.07,58.68 62.45,58.68 62.65,58.47 R178.1 62.85,58.47 63.05,58.68 63.45,58.68 63.65,58.47 63.85,58.47 64.05,58.68 64.5,58.68 64.7,58.47 R217.1 ; 61.75,55.78 62.35,55.78 62.65,55.47 R126.1 62.85,55.47 63.07,55.7 63.45,55.7 63.68,55.47 R11.1 63.85,55.47 64.07,55.7 64.43,55.7 64.65,55.47 R185.1 64.85,55.47 65.07,55.7 65.45,55.7 65.68,55.47 R6.1 ; R238.1 67.03,54.65 66.8,54.43 66.8,54.05 67.03,53.82 R256.1 67.1,53.68 67.45,53.68 67.65,53.47 R262.1 ; 60.07,49.75 61.4,49.75 61.6,49.55 R241.1 61.9,49.55 62.07,49.72 62.38,49.72 62.6,49.95 R244.1 62.88,49.82 63.75,49.82 63.8,49.78 64.4,49.78 64.65,50.03 R18.1 64.75,50.4 64.95,50.6 R13.1 64.95,50.9 64.75,51.1 R14.1 64.8,51.47 65,51.68 65.55,51.68 R255.1 65.85,51.47 66.05,51.68 66.43,51.68 66.65,51.45 R245.1 66.82,51.45 67.05,51.68 67.3,51.68 67.65,52.03 R17.1 67.85,52.03 68.12,51.75 68.4,51.75 ; R247.1 67.65,49.47 67.45,49.68 67.03,49.68 66.82,49.47 R254.1 ; 68.55,50.75 68.78,50.53 68.78,50.05 68.93,49.9 R251.1
  Bottom w0.3: 62.75,63.75 65.43,63.75 65.47,63.8 R222.1 ; 62.75,63.75 R209.1 ; 62.75,63.75 62.75,62.9 62.7,62.85 R210.1 ; 62.75,63.75 63.7,63.75 R214.1 ; 62.75,63.75 62.75,66.25 ; 62.75,63.75 64.7,63.75 R219.1 ; 62.75,66.25 R212.1 ; 62.75,66.25 R216.1 R188.1 64.53,66.53 C37.1 v1(63.95,67.25) ; R213.1 60.2,63.03 60.47,62.75 R183.1 ; 65.75,61.68 65.85,61.78 R224.1 67.78,61.75 68.75,61.75 ; 69.62,61.75 69.75,61.62 R227.1 ; 69.62,61.75 68.75,61.75 ; 69.62,61.75 70.53,61.75 70.75,61.53 70.75,60 70.5,59.75 67.75,59.75 ; 68.75,61.75 R226.1 ; 62.2,59.75 64.47,59.75 64.55,59.68 64.75,59.68 64.82,59.75 65.05,59.75 ; 62.2,59.75 61.1,59.75 ; 62.2,59.75 R218.1 63.68,59.75 63.75,59.68 ; R215.1 60.62,59.75 61.1,59.75 ; 65.5,59.75 65.05,59.75 ; 65.05,59.75 65.75,59.75 ; 61.68,57.75 61.75,57.82 R186.1 ; 62.75,57.88 R261.1 62.75,57.88 ; 62.75,57.88 R178.1 ; 62.75,57.88 R242.1 ; 61.1,59.75 C39.1 ; 67.75,59.75 65.75,59.75 ; 67.75,59.75 R223.1 ; 65.75,59.75 R173.1 ; R232.1 60.07,53.57 60.25,53.75 R237.1 ; R232.1 60.07,52.85 60.18,52.75 63.55,52.75 ; R232.1 R234.1 60.07,51.75 ; R240.1 62.97,52.75 63.55,52.75 ; 63.55,52.75 R231.1 R239.1 ; 67.75,54.68 67.68,54.75 R238.1 ; 60.07,51.75 61.55,51.75 61.6,51.7 R235.1 ; 60.07,51.75 R236.1 60.07,50.75 ; 60.07,50.75 R233.1 ; 60.07,50.75 R229.1 R253.1 R16.1 R248.1 60.07,46.75 ; 60.07,46.75 R250.1 ; 60.07,46.75 R15.1 60.07,45.75 R252.1 ; 68.32,51.75 68.62,51.75 68.75,51.62 68.75,50.95 68.55,50.75 R243.1 ; R251.1 68.93,49.62 68.75,49.45 68.75,48.97 68.53,48.75 67.75,48.75 ; IC16.3 37.55,40.35 C158.1 37.05,39.35 IC16.5 ; R247.1 67.75,48.75 ; 67.75,48.75 R249.1 ; R182.1 R174.1 64.75,57.88 R217.1 ; R10.1 R185.1 ; R262.1 67.75,52.8 R257.1 67.75,52.7 R17.1 ; R7.1 60.47,58.32 R8.1 60.2,58.47 ; R9.1 61.75,55.78 60.15,55.78 R263.1 R184.1
  Bottom w0.4: v1(59.2,44.75) 59.65,45.2 C186.1 60.07,45.4 R15.1 ; 59.11,63.25 58.65,62.79 58.65,61.89 59.02,61.52 59.02,61.11 58.6,60.69 58.49,60.69 58.35,60.55 ; 59.5,59.5 58.77,59.5 58.35,59.92 58.35,60.55 ; 58.35,60.55 58.35,60.6 58.3,60.65 v1(56.7,60.65) ; R213.1 C40.1
  Bottom w0.5: R232.1 60.07,53.25 C195.1 ; 59.5,59.5 C39.1 ; v1(57.55,55.85) 57.95,56.25 C38.1 R263.1 ; 59.75,58.27 59.96,58.47 R8.1 ; C40.1 59.11,63.25
  Bottom w0.8: 59.75,58.27 59.28,57.79 C38.1 ; 38.55,40.1 v1(38.55,40.95)
  Bottom w1: C163.1 C158.1

## Copper pours and planes (outline as drawn; the poured copper is in the pictures)
12V_FMC on Top: 110.9,116.6 107.7,113.4 107.7,106 105.4,106 105.4,128.8 108.4,131.8 108.4,133.2 110.9,133.2
GND on Bottom: 57.5,71.4 54.3,71.4 54.3,76.15 57.5,76.15
GND on Bottom: 100.85,56.25 95.5,56.25 95.5,60.95 100.85,60.95
GND on Bottom: 37.3,57.3 33.3,57.3 33.3,60.3 28.05,60.3 28.05,65.05 29,65.05 29,61.8 31.4,61.8 31.4,65 35.4,65 37.3,63.1
GND on Bottom: 26.8,64.85 20.05,64.85 20.05,66.35 25.7,66.35 26.15,65.9 26.8,65.9
GND on Bottom: 29.15,93.7 21.95,93.7 21.95,96.25 29.15,96.25
GND on Bottom: 37.4,101.5 34.9,101.5 34.9,106.5 32.1,106.5 32.1,103.1 26.1,103.1 26.1,105.7 29.4,105.7 29.4,107.5 33.7,107.5 33.7,108.9 34.4,108.9 34.4,117.1 36.3,117.1 36.3,108.9 36.5,108.9 36.5,107.2 37.4,107.2
GND on Bottom: 34.35,98.7 29.8,98.7 29.8,102.3 34.35,102.3
GND on Bottom: 34,36.75 32.4,36.75 32.4,42.25 34,42.25
GND on Inner10.Cu: 119.4,10.4 10.3,10.4 10.3,133.8 119.4,133.8
GND on Inner9.Cu: 119.4,10.4 10.3,10.4 10.3,133.8 119.4,133.8
GND on Inner8.Cu: 119.4,133.8 119.4,10.4 10.3,10.4 10.3,133.8
VCC on Bottom: 105.6,121.25 101,121.25 101,117.55 99,117.55 99,120.05 97.4,121.65 97.1,121.65 97.1,123.85 105.6,123.85
VCC on Bottom: 33.5,109 31.7,109 31.7,107.9 24.8,107.9 24.8,100.2 21.9,100.2 21.9,107.1 17,107.1 17,112.5 30.6,112.5 32.5,114.4 33.5,114.4
VCC on Inner7.Cu: 108,117.7 91.9,117.7 87.9,121.7 33.4,121.7 33.4,108.1 17,108.1 17,116.7 24,116.7 24,133.5 108,133.5
VCC1P2 on Bottom: 27.6,62.1 20,62.1 20,64.6 26.8,64.6 26.8,62.8 27.6,62.8
VCC1P2 on Inner7.Cu: 75,48.5 60.8,48.5 60.8,41.05 65.75,41.05 65.75,39.75 59,39.75 59,33.05 66.8,33.05 66.8,36.95 69.95,36.95 69.95,28.5 57.95,28.5 55.5,30.95 55.5,49.3 31.2,49.3 20.9,59.6 20.9,63.6 25.8,63.6 25.8,61.75 30.7,61.75 40.65,71.7 45.6,71.7 45.6,58 75,58
VCC1P8 on Inner4.Cu: 60.9,63.5 61.5,63.5 61.5,47.5 64.5,47.5 64.5,62.5 64,62.5 64,65 60.9,65
VCC1P8 on Inner2.Cu: 70.5,61.5 64,61.5 64,63 70.5,63
VCC1P8_SDRAM on Bottom: 48.3,41.5 46.1,41.5 46.1,43.25 34.9,43.25 34.9,46.85 43.4,46.85 43.4,58 43.95,58 43.95,66.75 48.3,66.75
VCC3P3 on Bottom: 117.7,75.2 98.3,75.2 98.3,66.1 95.2,63 95.2,49.1 86.1,40 86.1,29.3 68.8,29.3 68.8,41.5 60.3,41.5 60.3,43.2 83.2,43.2 83.2,52.3 88.7,52.3 89.3,52.9 89.3,58.4 93.1,58.4 93.1,63.4 89.3,63.4 89.3,67.6 94,67.6 94,70.2 76.9,70.2 73.2,73.9 60.5,73.9 54.1,80.3 40.9,80.3 40.9,60 39.3,60 39.3,61.6 35.3,65.6 31.7,65.6 31.7,88.1 36,92.4 36,101.3 37.7,101.3 37.7,107.2 38.7,107.2 38.7,108.8 44.3,108.8 44.3,103.5 55.4,103.5 57.8,105.9 57.8,120.1 60.7,120.1 60.7,115.6 63.2,113.1 63.2,98.1 44.3,98.1 44.3,85.8 59.1,85.8 67,77.9 73.6,77.9 78.2,73.3 89.1,73.3 97.3,81.5 109.2,81.5 109.2,105.5 117.7,105.5
VCC5 on Bottom: 22.55,86.8 20.9,86.8 20.9,88.9 22.55,88.9
VCC5 on Inner7.Cu: 108.5,11.1 19.2,11.1 19.2,47.3 11.1,47.3 11.1,72.4 19.5,80.8 19.5,88.9 23.35,88.9 23.35,78.65 17.9,73.2 17.9,56.5 29.3,45.1 29.3,37.3 41.1,37.3 41.1,18.9 102.8,18.9 102.8,51.8 108.5,51.8
5P5V on Bottom: 112.3,106.4 107.9,106.4 107.9,115.1 106.5,116.5 106.5,124.4 100.4,124.4 100.4,128.3 110.7,128.3 110.7,117.7 112.3,116.1
FX3_VDD on Inner7.Cu: 86.5,82.85 79,82.85 79,80.7 76.7,78.4 70,78.4 59.8,68.2 48.2,68.2 48.2,71.7 55.6,71.7 61.5,77.6 61.5,94 63.9,96.4 69.3,96.4 69.3,93.7 66.9,93.7 66.9,80.9 76.2,80.9 76.2,86.1 83.9,86.1 83.9,93.25 85.6,93.25 85.6,86.1 86.5,86.1
VDIO on Inner7.Cu: 118.2,70.4 115.9,68.1 111.8,68.1 110.2,66.5 96.3,66.5 96.3,72.1 109.2,72.1 114.9,77.8 114.9,111.8 118.2,111.8

## Text on the board
B.SilkS: LAN_M0 | LAN_M1 | LAN_M2 | LAN_M3 | USB GPIOs | +12V | Board v2 r1
F.Mask: Lime Microsystems | STREAM
F.SilkS: FPGA_SW0 | FPGA_SW1 | FPGA_SW2 | FPGA_SW3 | TDI | TMS | TCK | TDO | FX3 RST | FMC Power / Jumper | TRST_N | PWR | CLK Lock | CLK IN | MSEL | FPGA JTAG | 1 | 0 | LAN RST | VNC2 DEBUG | FX3 JTAG | FX3 Boot / Jumper | FPGA RST | ADC INs | FPGA_LED0 | FPGA_LED1 | FPGA_LED2 | M_PWR | FPGA GPIO | ON | OFF
